# KiCad board Latest-Full-Backplane.kicad_pcb (continued)
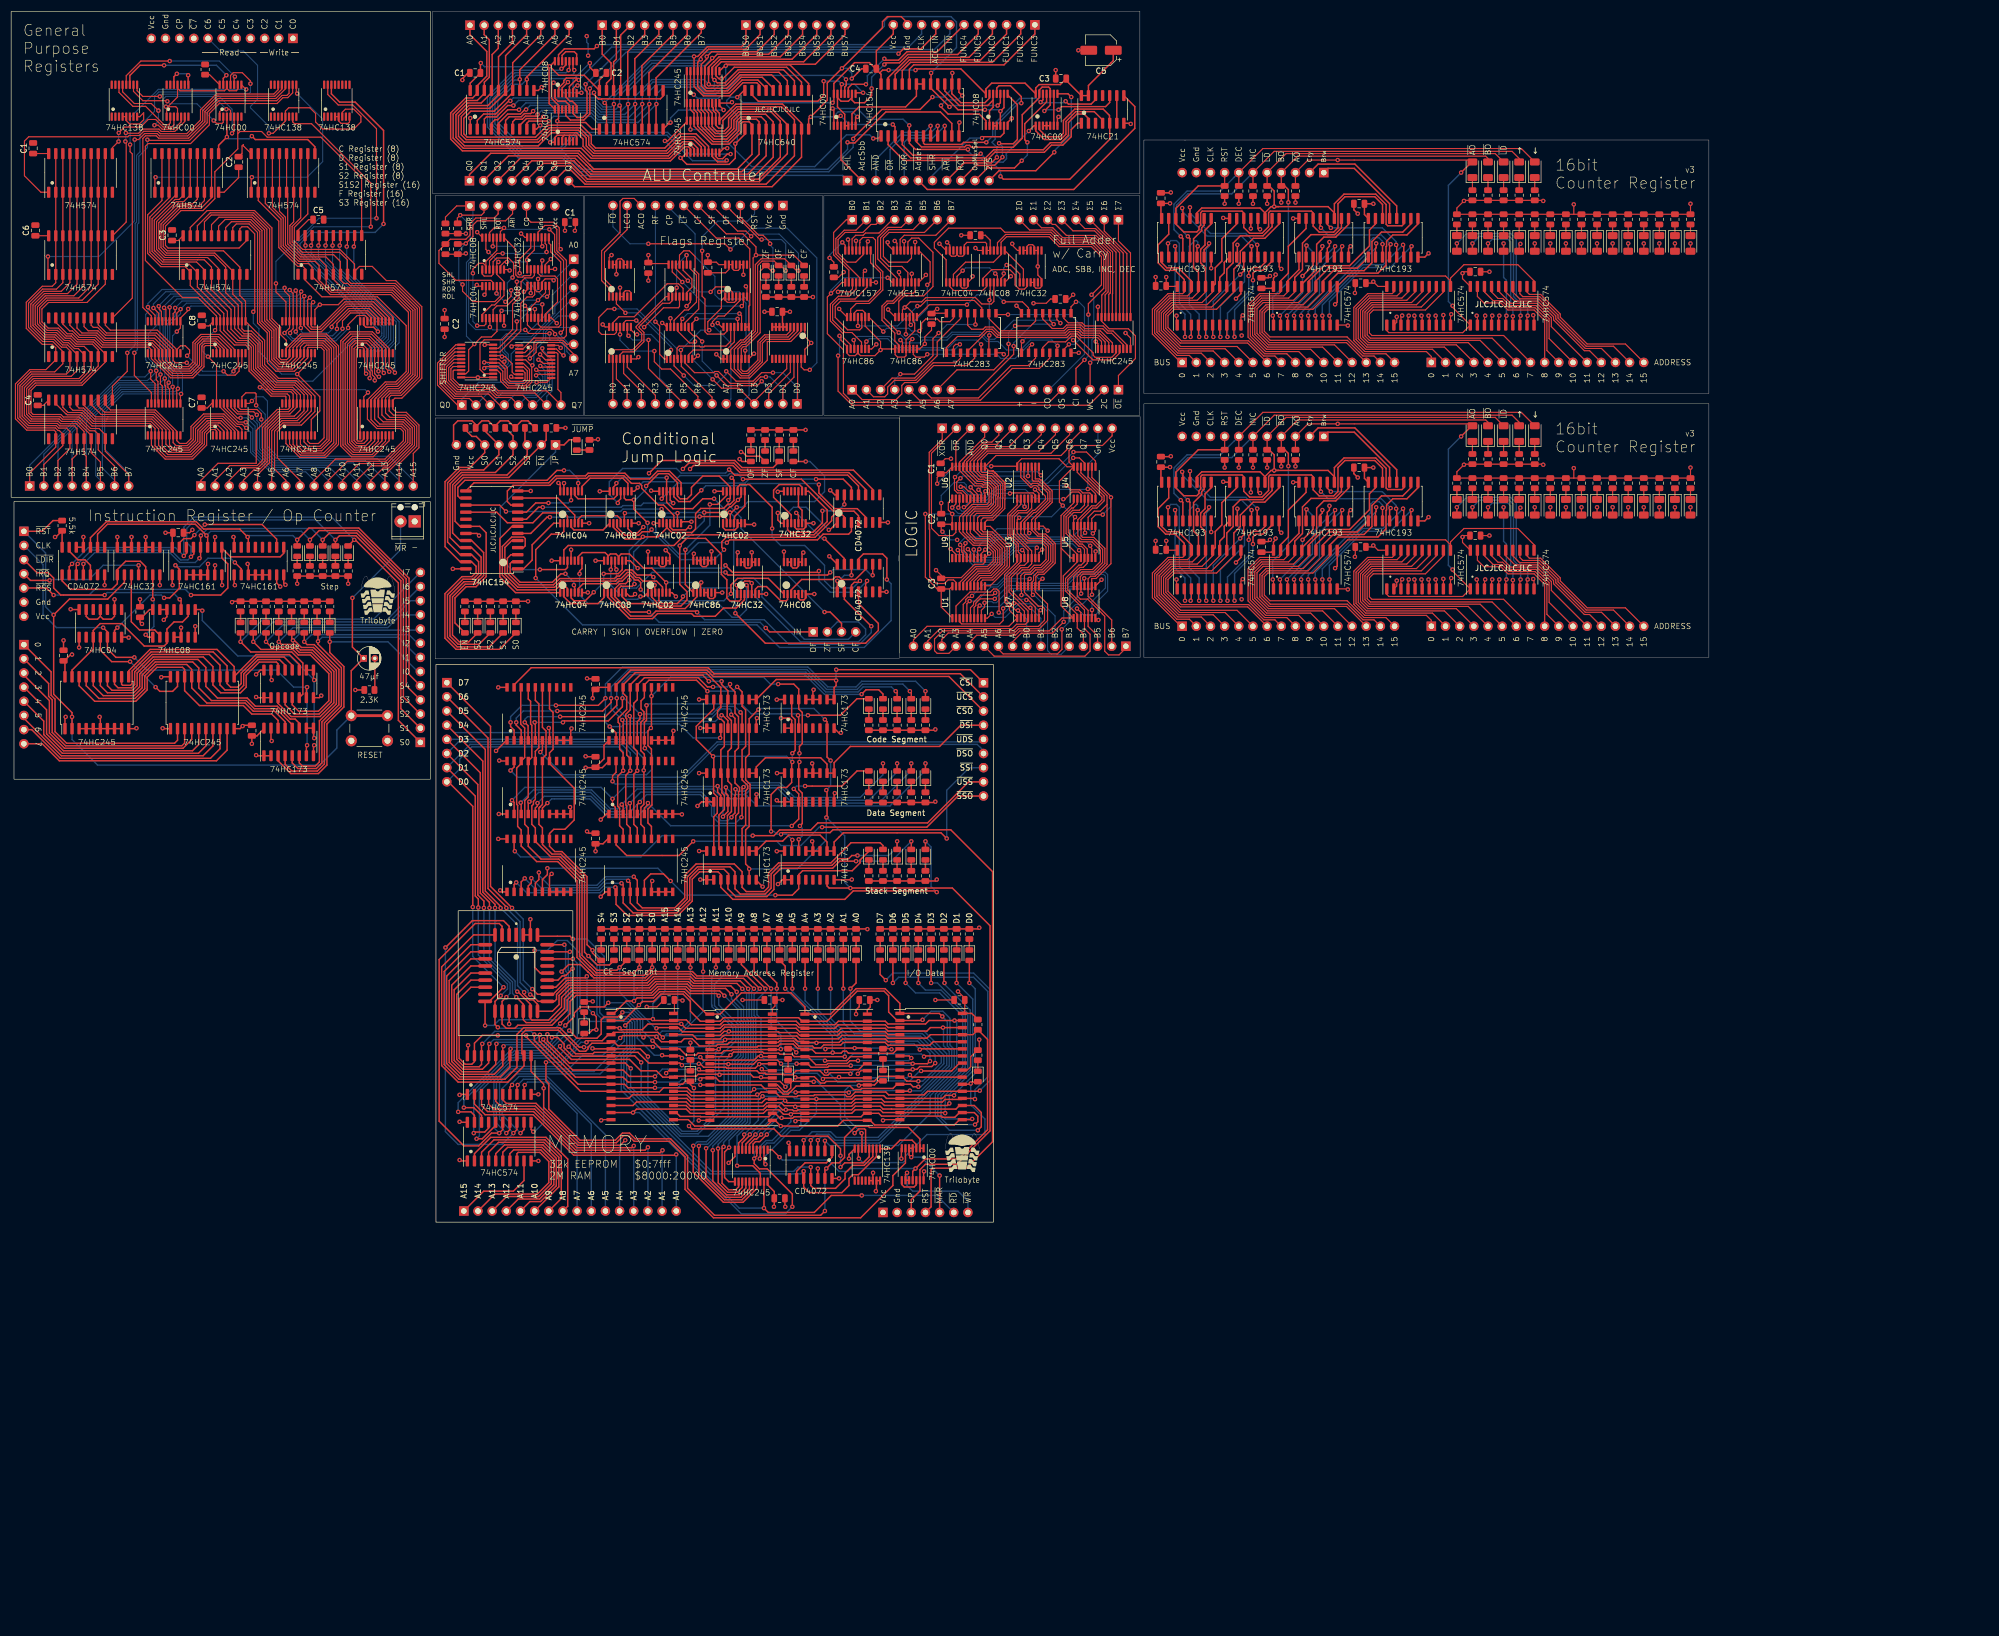
[diagram p0: board, top side]
## Routing (per net, layer and track width the routed paths; a pad name or vN(x,y) marks a point on that pad's centre or on a via; arc(x,y) is an arc through that point) (continued)
  Bottom w0.2: v1(168.51,120.72) 169.51,119.72 170.64,119.72 172.49,117.87 177.49,117.87 177.6,117.98 177.65,117.98 180.11,120.44 181.29,120.44 v1(181.36,120.52) ; v1(93.96,163.72) 93.22,163.72 91.02,161.52 v1(90.71,161.52)
Net-(U3-Pad4): length 22.1
  Top w0.2: U3#3.4 94.56,160.97 95.02,160.5 98.2,160.5 98.58,160.88 98.58,172.19 96.8,173.96 96.8,175.23 96.46,175.58 U4#7.8
Net-(U3-Pad6): length 32.4
  Top w0.2: v1(169.81,120.52) 170.11,120.22 U9#5.3 ; U4#7.4 94.51,170.16 95.02,169.65 97.54,169.65 98.01,169.17 98.01,165.01 95.86,162.86 U3#3.6 ; v1(183.99,120.94) 183.71,120.67 U3#9.6
  Bottom w0.2: v1(183.99,120.94) 183.71,121.22 180.32,121.22 177.48,118.38 177.41,118.38 177.37,118.34 172.66,118.34 170.49,120.52 v1(169.81,120.52)
Net-(U3-Pad8): length 37.8
  Top w0.2: U9#5.4 170.76,119.96 170.51,120.21 170.51,121.17 v1(170.24,121.44) ; v1(96.12,165.95) 96.55,166.37 96.55,167.85 U3#3.8 ; v1(185.92,124) 185.12,124.8 U3#9.8 ; v1(91.21,170.15) 91.21,172.69 93.21,174.69 U4#7.13
  Bottom w0.2: v1(170.24,121.44) 170.24,121.89 171.19,122.84 175.36,122.84 176.86,124.34 185.58,124.34 v1(185.92,124) ; v1(91.21,170.15) 95.42,165.95 v1(96.12,165.95)
Net-(U3-Pad11): length 23
  Top w0.2: U3#9.11 182.41,123.77 v1(182.64,123.55) ; v1(95.28,172.44) 95.16,172.32 U4#7.5 ; U3#3.11 94.52,167.93 v1(94.52,169.14) ; U9#5.5 171.41,119.89 170.91,120.39 170.91,121.13 171.19,121.41 v1(171.19,121.74)
  Bottom w0.2: v1(94.52,169.14) 95.28,169.9 v1(95.28,172.44) ; v1(171.19,121.74) 171.89,122.44 175.75,122.44 176.55,123.24 176.56,123.24 176.59,123.27 182.36,123.27 v1(182.64,123.55)
Net-(U3-Pad12): length 37
  Top w0.25: v1(224.03,130.73) 223.77,130.73 223.65,130.86 U3#4.12 ; U3#8.12 223.65,178.17 223.77,178.04 v1(224.03,178.04) ; v1(236.47,175.75) 236.47,174.99 236.09,174.61 U5#5.5 ; U5.5 236.09,127.31 236.47,127.69 v1(236.47,128.45)
  In2.Cu w0.25: 289.81,71.81 289.76,71.81 287.47,74.09 277.37,74.09 ; 289.81,24.5 289.76,24.5 287.47,26.79 277.37,26.79
Net-(U3-Pad13): length 36.1
  Top w0.25: U3#4.13 v1(222.38,130.86) ; U3#8.13 v1(222.38,178.17) ; 234.82,125.75 234.82,126.8 235.2,127.18 v1(235.2,127.69) ; v1(235.2,174.99) 235.2,174.48 234.82,174.1 234.82,173.05
  In2.Cu w0.25: 275.72,26.91 276.86,25.77 286.51,25.77 288.54,23.74 ; 288.54,71.04 286.51,73.08 276.86,73.08 275.72,74.22
Net-(U4-Pad2): length 9.8
  Top w0.25: U4#4.2 99.14,112.15 100.37,110.92 105.27,110.92 106.37,112.02 U6#3.1
Net-(U4-Pad3): length 42.2
  Top w0.2: U5#9.2 84.88,152.13 84.1,152.91 84.1,157.45 84.86,158.22 88.11,158.22 89.94,160.05 89.94,164.6 91.11,165.76 91.11,167.05 91.47,167.41 91.47,168.61 92.18,169.32 93.43,169.32 93.86,169.75 U4#7.3
  Top w0.25: U4#3.3 21.56,116.03 21.56,107.65 23.02,106.19 25.75,106.19 26.67,105.27 U5#7.2
Net-(U4-Pad6): length 12.9
  Top w0.25: v1(25.4,111.68) U4#3.6 ; U5#7.1 24.57,104.89 v1(24.13,105.33)
  Bottom w0.25: v1(25.4,111.68) 25.6,111.49 25.6,106.8 v1(24.13,105.33)
Net-(U4-Pad8): length 44.6
  Top w0.25: v1(131.92,114.21) 132.19,113.94 U7#4.4 ; U4#4.8 102.39,117.19 101.97,116.76 v1(101.97,116.26)
  Bottom w0.25: v1(101.97,116.26) 101.97,112.45 103.49,110.92 126.86,110.92 129.32,108.46 130.55,108.46 131.92,109.83 v1(131.92,114.21)
Net-(U4-Pad11): length 34.3
  Top w0.2: 91.15,156.58 91.8,156.58 93.75,158.53 99.15,158.53 99.6,158.98 99.6,172.47 97.88,174.18 97.88,178.02 97.18,178.73 95.72,178.73 94.51,177.51 U4#7.11
Net-(U5-Pad1): length 38.6
  Top w0.2: U7#5.3 196.24,157.84 195.07,159.01 192.08,159.01 191.42,159.67 189.83,159.67 189.21,159.04 177.03,159.04 175.96,160.11 174.91,160.11 173.61,158.82 169.75,158.82 167.77,156.84 U5#6.1
  Top w0.25: U5#4.6 U5#4.5 130.3,124.59 129.84,124.13 128.13,124.13 127.7,124.56 U5#4.1
Net-(U5-Pad3): length 25.7
  Top w0.2: U9#5.6 172.06,120.23 v1(171.62,120.67) ; U5#8.3 191.89,120.17 v1(191.57,120.49)
  Bottom w0.2: v1(191.57,120.49) 190.42,121.64 180.18,121.64 177.32,118.78 175.98,118.78 175.94,118.74 173.55,118.74 v1(171.62,120.67)
Net-(U5-Pad4): length 34.9
  Top w0.2: U5#6.4 171.58,156.21 175.08,159.71 175.8,159.71 176.87,158.64 189.37,158.64 190,159.27 191.26,159.27 191.91,158.61 194.9,158.61 195.59,157.92 U7#5.2
  Top w0.25: U5#4.8 131.6,128.37 129.78,126.54 129.78,126.03 129.65,125.91 U5#4.4
Net-(U5-Pad6): length 26.9
  Top w0.2: U5#8.6 193.84,120.79 193.56,121.07 v1(193.56,121.29) ; v1(172.66,120.62) 172.71,120.57 U9#5.7
  Bottom w0.2: v1(193.56,121.29) 192.8,122.05 183.28,122.05 183.27,122.04 180.01,122.04 177.15,119.18 174.1,119.18 v1(172.66,120.62)
Net-(U5-Pad8): length 70.1
  Top w0.2: U9#5.8 173.36,120.37 v1(173.66,120.67) ; v1(194.04,123.49) 194.49,123.94 U5#8.8
  Top w0.25: v1(54.36,97.21) 54.23,97.33 U9#2.9 U9#2.10 ; v1(34.29,109.65) 34.1,109.84 U5#7.8 ; v1(54.36,86.79) 54.23,86.92 U8.9 U8.10
  Bottom w0.2: v1(194.04,123.49) 193.21,124.32 191.82,124.32 190.34,122.85 176.72,122.85 175.92,122.04 174.35,122.04 173.66,121.36 v1(173.66,120.67)
  Bottom w0.25: v1(34.29,109.65) 34.29,107.87 40.64,101.52 50.04,101.52 v1(54.36,97.21) v1(54.36,86.79)
Net-(U5-Pad9): length 22.8
  Top w0.2: U5#6.9 176.91,162.74 v1(178.82,162.74) ; U6#7.7 188.85,156.51 v1(189.74,157.4)
  Bottom w0.2: v1(178.82,162.74) 189.99,162.74 191.77,160.96 191.77,158.42 190.75,157.4 v1(189.74,157.4)
Net-(U5-Pad10): length 26.5
  Top w0.2: U7#5.5 197.54,157.67 195.4,159.81 192.41,159.81 191.75,160.47 189.5,160.47 188.88,159.84 177.58,159.84 175.39,162.04 U5#6.10
Net-(U5-Pad11): length 22.2
  Top w0.2: U9#5.9 174.01,119.87 v1(174.74,120.59) ; v1(192.64,123.62) 192.54,123.73 U5#8.11
  Bottom w0.2: v1(174.74,120.59) 175.03,120.59 176.88,122.44 183.1,122.44 183.11,122.45 191.47,122.45 v1(192.64,123.62)
Net-(U5-Pad12): length 35
  Top w0.25: v1(236.73,178.29) 236.09,178.93 U5#5.12 ; v1(248.44,175.24) 248.54,175.15 U7#6.5 ; U7#3.5 248.54,127.84 v1(248.44,127.94) ; v1(236.73,130.99) 236.09,131.62 U5.12
  Bottom w0.25: v1(236.73,130.99) 245.96,130.99 248.44,128.5 v1(248.44,127.94) ; v1(248.44,175.24) 248.44,175.81 245.96,178.29 v1(236.73,178.29)
Net-(U5-Pad13): length 89.1
  Top w0.2: U7#5.4 196.89,157.75 195.23,159.41 192.24,159.41 191.59,160.07 189.67,160.07 189.04,159.44 177.2,159.44 176.13,160.51 174.74,160.51 174.34,160.11 172.3,160.11 171.58,160.83 U5#6.13
  Top w0.25: U7#3.4 247.27,127.86 v1(247.45,128.04) ; U8#7.1 120.93,114.32 v1(120.93,120.56) ; U7#6.4 247.27,175.17 v1(247.45,175.35) ; 234.82,132.67 234.82,131.37 234.95,131.24 v1(234.95,130.99) ; 234.82,179.98 234.82,178.67 234.95,178.55 v1(234.95,178.29) ; v1(125.33,128.7) 126.74,128.7 128.35,130.32 U5#4.13
  Bottom w0.25: v1(120.93,120.56) 125.33,124.96 v1(125.33,128.7) ; v1(247.45,175.35) 245.77,177.02 236.22,177.02 v1(234.95,178.29) ; v1(234.95,130.99) 236.22,129.72 245.77,129.72 v1(247.45,128.04)
Net-(U6-Pad1): length 22.7
  Top w0.2: v1(181.41,157.94) 181.23,157.76 U6#7.1 ; v1(190.5,158.17) 194.06,154.61 197.61,154.61 198.84,155.84 U7#5.7
  Bottom w0.2: v1(190.5,158.17) 190.1,158.57 182.04,158.57 v1(181.41,157.94)
Net-(U6-Pad2): length 48.4
  Top w0.2: v1(181.79,128.29) 181.79,129.7 U2#7.3 ; v1(168.81,128.14) 169.46,128.79 U6#6.2
  Top w0.25: U7#4.3 131.54,111.6 130.07,110.12 127.78,110.12 126.29,108.64 122.54,108.64 122.05,109.12 115.95,109.12 115.05,108.22 110.89,108.22 107.02,112.09 U6#3.2
  Bottom w0.2: v1(181.79,128.29) 181.76,128.29 180.24,129.82 176.89,129.82 176.56,129.49 176.56,129.29 175.89,128.62 173.44,128.62 171.89,127.07 169.89,127.07 v1(168.81,128.14)
Net-(U6-Pad3): length 17.9
  Top w0.2: U6#6.3 170.11,128.33 v1(169.91,128.13) ; v1(179.16,130.67) 179.26,130.77 183.33,130.77 183.71,130.38 U2#7.6
  Bottom w0.2: v1(169.91,128.13) 170.54,127.49 171.29,127.49 172.84,129.04 175.14,129.04 176.79,130.69 177.06,130.69 177.09,130.67 v1(179.16,130.67)
Net-(U6-Pad4): length 40.5
  Top w0.2: U2#7.8 184.36,134.28 v1(184.71,133.93) ; U6#7.4 185.04,156.84 186.05,157.85 189.15,157.85 190.16,158.87 191.09,158.87 194.09,155.87 194.09,155.44 194.45,155.07 197.43,155.07 198.19,155.84 U7#5.6 ; U6#6.4 170.76,130.38 170.38,130.77 169.73,130.77 169.21,131.29 169.21,133.5 v1(169.31,133.6)
  Bottom w0.2: v1(184.71,133.93) 184.07,134.57 170.28,134.57 v1(169.31,133.6)
Net-(U6-Pad5): length 19.1
  Top w0.2: U2#7.11 182.41,133.79 v1(182.42,133.78) ; v1(170.29,133.39) 169.61,132.71 169.61,131.45 169.9,131.17 170.65,131.17 171.41,130.4 U6#6.5
  Bottom w0.2: v1(182.42,133.78) 170.68,133.78 v1(170.29,133.39)
Net-(U6-Pad6): length 43.3
  Top w0.2: U4#6.3 191.91,130.52 191.51,130.92 190.29,130.92 189.01,129.64 v1(188.74,129.64) ; U6#6.6 172.06,129.08 171.19,128.21 v1(170.91,128.21)
  Top w0.25: U8#7.2 123.02,112.15 120.89,110.02 116.33,110.02 115.43,110.92 110.84,110.92 109.62,112.15 U6#3.6
  Bottom w0.2: v1(188.74,129.64) 188.66,129.72 183.61,129.72 181.94,131.39 176.91,131.39 174.99,129.47 174.98,129.47 174.95,129.44 172.14,129.44 v1(170.91,128.21)
Net-(U6-Pad7): length 30.3
  Top w0.2: U6#6.7 172.71,130.38 172.03,131.07 171.7,131.07 170.9,131.87 v1(170.33,131.87) ; v1(189.34,132.08) 190.1,131.32 191.69,131.32 192.24,130.77 193.48,130.77 193.86,130.38 U4#6.6
  Bottom w0.2: v1(189.34,132.08) 177.03,132.08 174.79,129.84 172.36,129.84 v1(170.33,131.87)
Net-(U6-Pad8): length 29.3
  Top w0.2: v1(172.11,131.77) 172.11,131.74 173.36,130.49 U6#6.8 ; v1(190.56,138.09) 192.89,138.09 194.51,136.47 U4#6.8
  Bottom w0.2: v1(190.56,138.09) 185.35,132.88 173.22,132.88 v1(172.11,131.77)
Net-(U6-Pad9): length 41.9
  Top w0.2: U4#6.11 192.56,136.11 191.63,137.04 v1(190.51,137.04) ; U6#6.9 174.01,130.83 v1(173.52,131.32)
  Top w0.25: v1(104.51,112.95) 102.98,111.43 100.95,111.43 100.44,111.94 U4#4.4 ; v1(106.28,116.26) 106.32,116.29 108.92,116.29 109.62,116.99 U6#3.9
  In1.Cu w0.25: 52.32,-62.56 52.32,-64.34 51.82,-64.85
  Bottom w0.2: v1(173.52,131.32) 174.68,132.48 185.95,132.48 v1(190.51,137.04)
  Bottom w0.25: v1(104.51,112.95) 106.28,114.73 v1(106.28,116.26)
Net-(U6-Pad10): length 14.9
  Top w0.2: U7#5.9 200.14,157.31 197.65,159.8 196.79,159.8 195.88,160.71 192.64,160.71 192.08,161.27 189.62,161.27 188.85,162.04 U6#7.10
Net-(U6-Pad12): length 12.7
  Top w0.25: U9.1 113.55,112.19 v1(112.89,112.19) ; U6#3.12 107.67,117.13 v1(107.55,117.02)
  Bottom w0.25: v1(112.89,112.19) 112.38,111.68 110.09,111.68 107.55,114.22 v1(107.55,117.02)
Net-(U6-Pad13): length 18.7
  Top w0.2: U7#5.8 199.49,157.31 197.4,159.4 196.62,159.4 195.81,160.21 192.57,160.21 191.92,160.87 189.34,160.87 188.71,160.24 186.76,160.24 185.04,161.96 U6#7.13
Net-(U7-Pad3): length 1.3
  Top w0.25: U7#2.5 U7#2.3
Net-(U7-Pad6): length 25.8
  Top w0.2: U1#3.3 170.14,107.65 170.52,107.27 177.34,107.27 177.95,107.88 v1(177.95,110.06) ; U7.6 183.71,110.28 182.42,111.57 v1(182.12,111.57)
  Top w0.25: U7#2.9 U7#2.6
  Bottom w0.2: v1(182.12,111.57) 181.99,111.69 179.58,111.69 v1(177.95,110.06)
Net-(U7-Pad8): length 21.3
  Top w0.2: U7.8 184.36,114.79 184.94,115.37 v1(185.01,115.37) ; v1(172.36,112.29) 172.14,112.07 171.65,112.07 171.24,111.66 171.24,111.24 170.79,110.78 170.79,108.3
  Bottom w0.2: v1(185.01,115.37) 184.31,115.37 183.31,116.37 178.91,116.37 176.86,114.32 174.38,114.32 v1(172.36,112.29)
Net-(U7-Pad11): length 17.1
  Top w0.2: v1(182.7,115.36) 182.41,115.07 U7.11 ; v1(171.94,111.37) 171.44,110.87 U1#3.5
  Bottom w0.2: v1(182.7,115.36) 182.69,115.37 178.47,115.37 177,113.9 175.75,113.9 173.22,111.37 v1(171.94,111.37)
Net-(U8-Pad3): length 43.8
  Top w0.2: U8#3.3 191.89,109.33 v1(191.19,110.02) ; v1(176.51,112.84) 176.11,112.44 173.94,112.44 172.64,111.14 172.64,110.72 172.09,110.17 U1#3.6
  Bottom w0.2: v1(191.19,110.02) 191.2,110.02 192.36,108.87 194.49,108.87 194.94,109.32 194.94,111.39 196.69,113.14 196.69,116.12 196.26,116.54 191.19,116.54 189.19,114.54 180.86,114.54 180.46,114.94 178.61,114.94 v1(176.51,112.84)
Net-(U8-Pad6): length 36.8
  Top w0.2: U8#3.6 193.88,108.38 v1(193.88,109.77) ; U1#3.7 172.74,110.25 173.04,110.55 173.04,110.98 173.83,111.77 v1(176.44,111.77)
  Bottom w0.2: v1(176.44,111.77) 178.82,114.14 180.7,114.14 180.7,114.14 189.35,114.14 191.35,116.14 195.96,116.14 196.29,115.82 196.29,113.72 193.88,111.31 v1(193.88,109.77)
Net-(U8-Pad8): length 27.9
  Top w0.2: U1#3.8 173.39,110.23 v1(173.74,110.58) ; v1(195.59,115.19) 195.59,115.16 U8#3.8
  Bottom w0.2: v1(195.59,115.19) 193.94,113.54 189.88,113.54 189.56,113.22 180.12,113.22 177.27,110.37 173.94,110.37 v1(173.74,110.58)
Net-(U8-Pad11): length 24.3
  Top w0.2: v1(174.61,111.07) 174.61,110.29 174.04,109.72 U1#3.9 ; U8#3.11 192.54,115.39 v1(192.49,115.44)
  Bottom w0.2: v1(174.61,111.07) 174.8,111.26 175.96,111.26 176.16,111.07 176.73,111.07 179.28,113.62 189.39,113.62 189.72,113.94 190.99,113.94 v1(192.49,115.44)
Net-(U9-Pad3): length 0.7
  Top w0.25: U9#3.3 U9#3.4
Net-(U10-Pad1): length 15.9
  Top w0.25: v1(137.53,127.18) 137.53,125.91 138.1,125.33 U12#4.1 ; v1(146.67,124.13) 146.86,124.13 U10#2.1
  Bottom w0.25: v1(146.67,124.13) 142.61,128.19 140.32,128.19 139.3,127.18 v1(137.53,127.18)
Net-(U10-Pad6): length 5
  Top w0.25: U10#4.6 U10#4.9
Net-(U10-Pad10): length 22.2
  Top w0.25: v1(32.86,123.19) 32.24,122.57 30.95,122.57 30.16,121.78 U3#6.15 ; 47.62,121.02 47.62,122.48 45.01,125.1 v1(34.74,125.1)
  Bottom w0.25: v1(34.74,125.1) 32.86,123.22 v1(32.86,123.19)
Net-(U10-Pad13): length 16.6
  Top w0.25: v1(149.46,128.7) 149.46,130.42 ; U12#4.2 139.27,124.16 139.73,123.7 143.83,123.7 145.53,125.4 v1(145.53,127.55)
  Bottom w0.25: v1(145.53,127.55) 148.31,127.55 v1(149.46,128.7)
Net-(U11-Pad1): length 6.9
  Top w0.25: v1(148.19,114.99) U11#2.1 ; v1(150.73,116) U11#2.12
  Bottom w0.25: v1(150.73,116) 149.46,116 148.45,114.99 v1(148.19,114.99)
Net-(U11-Pad13): length 15.1
  Top w0.25: v1(145.88,122.57) 149.46,118.99 U11#2.13 ; U12#4.5 141.22,126.78 v1(140.83,127.18)
  Bottom w0.25: v1(140.83,127.18) 145.43,122.57 v1(145.88,122.57)
Net-(U12-Pad3): length 13.7
  Top w0.25: U12#4.9 141.87,131.79 141.41,132.26 137.78,132.26 136.76,131.24 136.76,129.97 139.92,126.81 U12#4.3
Net-(U12-Pad8): length 58.6
  Top w0.25: U4#4.13 99.14,120.54 99.93,121.34 118.9,121.34 120.77,123.21 122.31,123.21 122.36,123.25 144.01,123.25 146.38,125.62 146.38,127.72 143.04,131.06 U12#4.8
Net-(U12-Pad10): length 6
  Top w0.25: U12#4.6 141.87,127.66 141.22,128.31 U12#4.10
Net-(U14-Pad1): length 45
  Top w0.25: v1(129.11,112.68) 129.11,114.24 130.3,115.44 135.82,115.44 U14.1 ; U4#4.6 101.74,113.62 102.6,114.48 108.57,114.48 109.04,114.94 109.6,114.94 110.7,116.04 111.01,116.04 111.91,115.14 112.48,115.14 112.92,114.7 v1(112.92,113.43)
  Bottom w0.25: v1(112.92,113.43) 114.92,111.43 127.85,111.43 v1(129.11,112.68)
Net-(U14-Pad2): length 9
  Top w0.25: U7#4.6 133.49,113.49 133.97,113.97 135.49,113.97 138.03,111.43 139.05,111.43 139.27,111.65 U14.2
Net-(U32-Pad2): length 8.7
  Top w0.2: U32.2 168.37,167.77 169.09,167.06 174.26,167.06 174.98,167.77 U33.2
Net-(U32-Pad4): length 10.8
  Top w0.2: U33.5 176.93,169.71 v1(176.53,170.1) ; v1(170.69,170.61) 169.67,169.6 U32.4
  Bottom w0.2: v1(170.69,170.61) 171.2,171.12 175.51,171.12 v1(176.53,170.1)
Net-(U33-Pad1): length 12.7
  Top w0.2: U33.1 174.33,169.25 175.88,170.8 179.13,170.8 180.09,169.85 180.09,168.05 180.83,167.31 181.77,167.31 182.23,167.77 U34.3
Net-(U33-Pad6): length 8.1
  Top w0.2: U34.1 180.93,170.02 179.32,171.63 v1(178.56,171.63) ; U33.6 177.58,169.25 178.05,169.73 v1(178.05,170.1)
  Bottom w0.2: v1(178.05,170.1) 178.05,171.12 v1(178.56,171.63)
Net-(U33-Pad8): length 7.1
  Top w0.2: U33.8 181.58,170.88 U34.2
Net-(U35-Pad3): length 16.5
  Top w0.2: v1(118.36,156.39) 118.26,156.29 U38.2 ; v1(110.18,163.05) 108.57,164.67 U35.3
  Bottom w0.2: v1(110.18,163.05) 112.26,163.05 118.36,156.95 v1(118.36,156.39)
Net-(U36-Pad1): length 18.6
  Top w0.2: U37.1 117.47,165.97 112.12,160.61 112.12,160.37 113.11,159.37 113.11,158.05 111.51,156.45 108.19,156.45 107.27,155.53 U36.1
Net-(U36-Pad4): length 17.7
  Top w0.2: U37.2 118.59,165.23 118.12,164.77 116.84,164.77 112.64,160.58 112.64,160.41 113.51,159.54 113.51,157.89 111.68,156.05 109.74,156.05 109.22,155.53 U36.4
Net-(U36-Pad10): length 14.7
  Top w0.2: v1(112.14,161.68) 110.29,161.68 109.87,161.26 U36.10 ; U37.4 119.89,164.18 119.66,163.96 117.01,163.96 v1(113.55,160.49)
  Bottom w0.2: v1(113.55,160.49) 113.33,160.49 v1(112.14,161.68)
Net-(U36-Pad13): length 18.1
  Top w0.2: U37.5 120.54,167.44 119.72,168.26 117.68,168.26 111.77,162.35 109.02,162.35 107.92,161.26 U36.13
Net-(U37-Pad3): length 10
  Top w0.2: U37.9 121.16,171.73 v1(121.16,173.41) ; U37.3 119.24,167.42 v1(119.38,167.56)
  Bottom w0.2: v1(119.38,167.56) 119.38,171.63 v1(121.16,173.41)
Net-(U37-Pad10): length 6.8
  Top w0.2: U37.6 121.19,166.71 122.11,167.63 122.11,169.12 120.54,170.7 U37.10
Net-(U37-Pad12): length 14.2
  Top w0.2: v1(125.48,166.8) 126.38,167.71 128.44,167.71 129.4,166.75 U39.3 ; U37.12 119.24,170.96 v1(121.39,168.81)
  Bottom w0.2: v1(125.48,166.8) 123.4,166.8 v1(121.39,168.81)
Net-(U37-Pad13): length 18.1
  Top w0.2: v1(131.06,164.26) 131.35,164.55 U39.6 ; U37.13 118.59,170.39 v1(120.4,168.58)
  Bottom w0.2: v1(131.06,164.26) 124.71,164.26 v1(120.4,168.58)

## Copper pours and planes (outline as drawn; the poured copper is in the pictures)
GND on In1.Cu: 145.8,144.45 102.36,144.45 102.36,184.33 145.8,184.33
GND on In1.Cu: 103.15,144.5 75.72,144.5 75.72,184.38 102.9,184.38
GND on In1.Cu: 180.85,149.28 183.13,63.68 25.91,62.15 24.89,152.83
GND on In1.Cu: 214.38,129.46 143.26,130.48 146.56,179.5 211.58,180.26
GND on In2.Cu: 304.55,101.27 203.2,101.27 203.2,146.74 304.55,146.74
GND on In2.Cu: 304.55,148.57 203.2,148.57 203.2,194.04 304.55,194.04
VCC on Bottom: 304.55,148.57 203.2,148.57 203.2,194.04 304.55,194.04
VCC on Bottom: 304.55,101.27 203.2,101.27 203.2,146.74 304.55,146.74
VCC on In2.Cu: 215.39,129.72 144.27,130.48 146.3,179.5 213.61,179.76
VCC on In2.Cu: 181.86,151.82 182.12,63.17 25.4,62.66 25.91,153.85
VCC on In2.Cu: 103.66,143.99 75.21,143.99 75.21,184.63 102.9,184.63
VCC on In2.Cu: 145.8,144.2 101.85,144.2 101.85,184.84 145.8,184.84

## Text on the board
B.Silkscreen: JLCJLCJLCJLC
F.Silkscreen: SHL / SHR / ROR / ROL | JLCJLCJLCJLC | OpMuxSel | Cry | Brw | ~{SHR} | ~{SHL} | ~{ROT} | ~{ARI} | CO | Gnd | Vcc | ~{RST} | CLK | ~{LDIR} | ~{IRQ} | ~{RSS} | C Register (8) / D Register (8) / S1 Register (8) / S2 Register (8) / S1S2 Register (16) / F Register (16) / S3 Register (16) | ~{JUMP} | CARRY | SIGN | OVERFLOW | ZERO | ADC, SBB, INC, DEC | ADDRESS | v3 | 74H574 | 74HC138 | 74HC245 | 74HC00 | Read | 74HC161 | Write | Opcode | Step | Trilobyte | ~{MR} | - | Q0 | A0 | A7 | Q7 | CE | Segment | Memory Address Register | I/O Data | I7 | I6 | I5 | I4 | I3 | I2 | I1 | I0 | S4 | S3 | S2 | S1 | S0 | IN | BUS | B0 | B1 | B2 | B3 | B4 | B5 | B6 | B7 | CP | ~{C7} | C6 | A1 | C5 | A2 | C4 | A3 | C3 | A4 | C2 | A5 | C1 | A6 | C0 | A8 | A9 | A10 | A11 | A12 | A13 | A14 | A15 | Q1 | Q2 | Q3 | Q4 | Q5 | Q6 | R0 | R1 | R2 | R3 | R4 | R5 | R6 | R7 | D3 | ZF | OF | D1 | SF | D0 | CF | AdcSbb | ~{AND} | ~{OR} | ~{XOR} | ~{Adder} | RST | ~{MAR} | ~{RD} | ~{WR} | ~{2'S} | Σ0 | + | Σ1 | Σ2 | Σ3 | OS | Σ4 | CI | Σ5 | WC | Σ6 | 2C | Σ7 | ~{OE} | DEC | INC | ~{LD} | ~{BO} | ~{AO} | 0 | SHIFTER | 74HC173 | 74HC574 | ~{EN} | ~{JP} | ~{FO} | LCO | ACO | RF | ~{LF} | BUS0 | BUS1 | BUS2 | BUS3 | BUS4 | BUS5 | BUS6 | BUS7 | ~{ACC IN} | ~{B IN} | FUNC4 | FUNC5 | FUNC0 | FUNC1 | FUNC2 | FUNC3 | 1 | 2 | 3 | 4 | 5 | 6 | 7 | 8 | 9 | 10 | 11 | 12 | 13 | 14 | 15 | Stack Segment | Code Segment | Data Segment | D7 | D6 | D5 | D4 | D2 | ~{CSI} | ~{UCS} | ~{CSO} | ~{DSI} | ~{UDS} | ~{DSO} | ~{SSI} | ~{USS} | ~{SSO} | 32k EEPROM	$0:7fff / 2M RAM		$8000:20000 | → | ← | Full Adder / w/ Carry | Flags Register | General / Purpose / Registers | 16bit / Counter Register | Instruction Register / Op Counter | Conditional / Jump Logic | ALU Controller | LOGIC | MEMORY
